# Altium PCB Enigma Rev A.PcbDoc (part 5 of 7)
Units mm, origin at the board's own origin, x right, y up, seen from the top; angles counter-clockwise.
Board outline 239.08 x 138 mm, 6 copper layers (Component Side, Ground Plane (GND), Inner Layer 1, Inner Layer 2, Power Plane (VCC), Solder Side), stack 1.297 mm thick; 563 components, 654 nets, 2409 pads, 1102 vias.
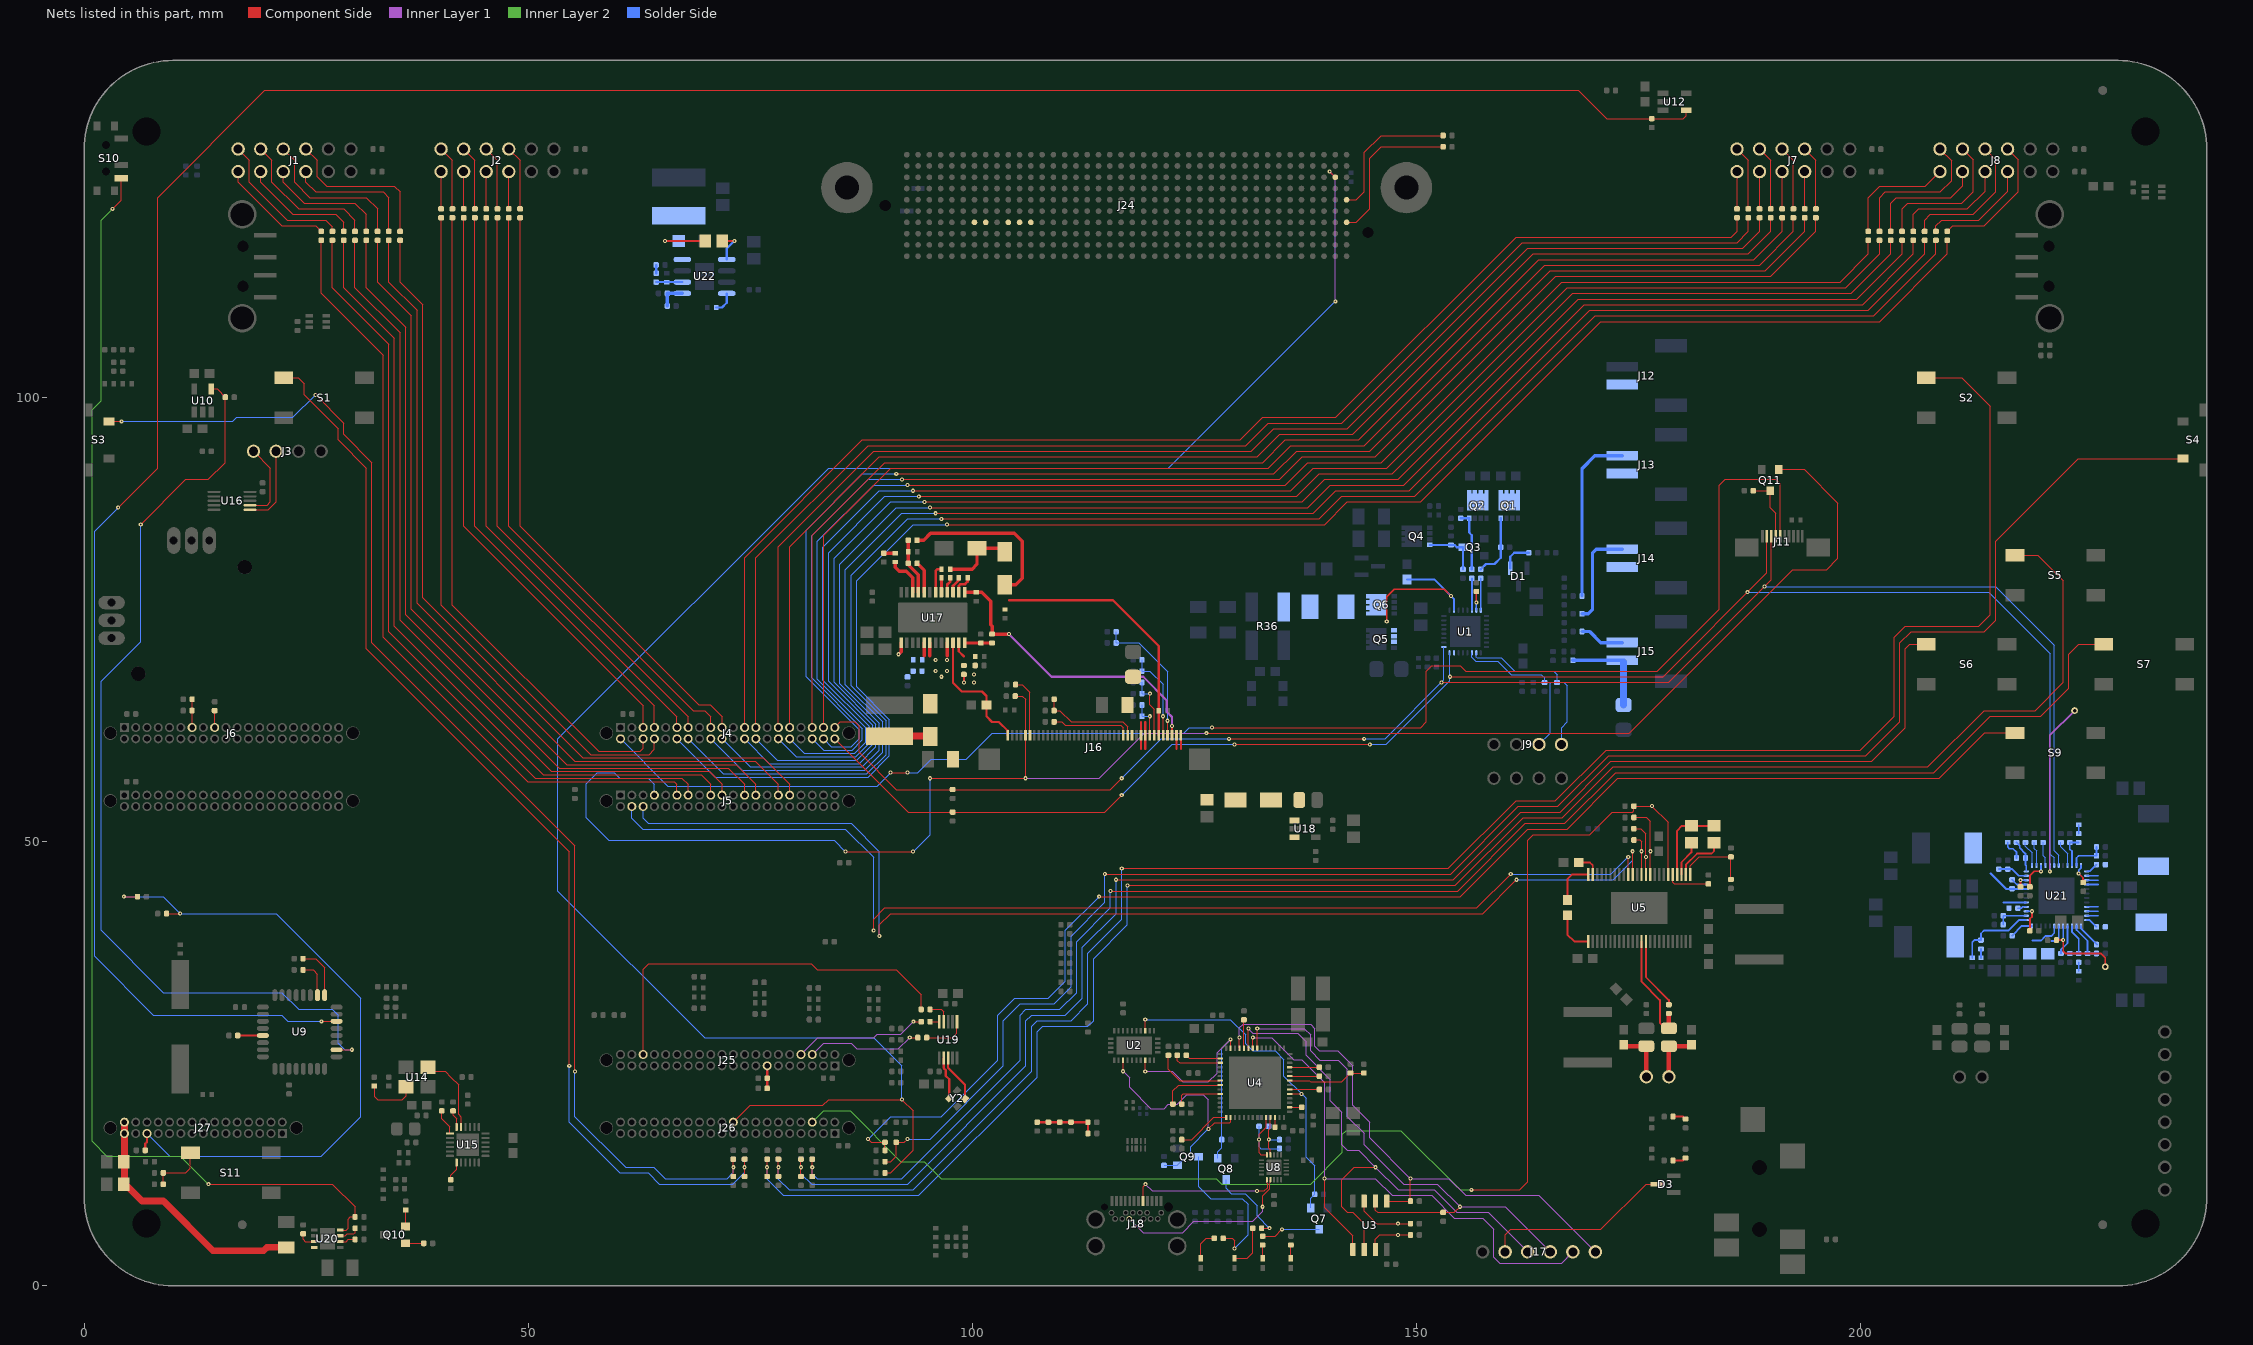
[diagram p9: the nets of this part, all layers, seen from the top]

## Via types
v1: diameter 0.457, hole 0.203, Component Side to Solder Side, tented top, 1032 vias
v2: diameter 0.5, hole 0.2, Component Side to Solder Side, 55 vias
v3: diameter 0.457, hole 0.203, Component Side to Solder Side, 9 vias
v4: diameter 0.5, hole 0.2, Component Side to Solder Side, tented both sides, 6 vias

## Nets (pads, with @x,y where several pads share a name; then routed paths per layer and width w, separated by ;. In a path a pad name is that pad's centre, name@x,y a point inside that pad or via, vN(x,y) a via of type N, cw(c..) or ccw(c..) an arc to the next point about the centre after c; other vN are vias at no path point) (continued)
NetC92_1: C92.1 L6.1 U5.37 | length 12.6
  Component Side w0.203: U5.37@175.383,38.77 175.383,34.23 177.447,32.166 177.447,29.626 L6.1@178.098,28.975
  Component Side w0.508: L6.1@178.461,28.977 C92.1@178.461,30.65
NetC92_2: C92.2 U5.38 | length 8.2
  Component Side w0.203: U5.38@175.883,38.77 175.883,34.746 178.461,32.168 C92.2@178.461,31.65
NetC93_2: C93.2 J22.2 L6.2 | length 5.8
  Component Side w0.508: J22.2@178.463,23.53 L6.2@178.463,26.975 C93.2@180.853,26.975
NetC94_2: C94.2 J22.1 L5.2 | length 5.8
  Component Side w0.508: C94.2@173.533,26.975 L5.2@175.923,26.975 J22.1@175.923,23.53
NetC95_1: C95.1 C96.2 U5.4 | length 9.3
  Component Side w0.203: U5.4@179.383,46.32 179.383,51.247 179.921,51.785 C96.2@181.003,51.785 C95.1@183.543,51.785
NetC95_2: C95.2 U5.2 | length 5.8
  Component Side w0.203: U5.2@180.383,46.32 180.383,47.421 181.638,48.676 183.289,48.676 183.543,48.93 C95.2@183.543,49.885
NetC96_1: C96.1 U5.3 | length 4
  Component Side w0.203: U5.3@179.883,46.32 179.883,47.683 181.003,48.803 C96.1@181.003,49.885
NetC97_1: C97.1 U5.24 | length 4.9
  Component Side w0.203: C97.1@167.033,43.43 167.033,45.755 167.598,46.32 U5.24@169.383,46.32
NetC97_2: C97.2 U5.25 | length 4.9
  Component Side w0.203: C97.2@167.033,41.73 167.033,39.532 167.795,38.77 U5.25@169.383,38.77
NetC98_1: C98.1 R108.1 | length 1.5
  Component Side w0.203: R108.1@178.927,14.103 180.062,14.103 C98.1@180.332,14.373
NetC99_2: C99.2 U5.23 | length 2.7
  Component Side w0.203: C99.2@168.303,47.66 169.573,47.66 169.883,47.35 U5.23@169.883,46.32
NetC102_1: C102.1 R111.1 | length 1.5
  Component Side w0.203: R111.1@178.935,19.05 180.07,19.05 C102.1@180.34,18.78
NetC117_1: C117.1 R150.2 R152.1 U17.1 | length 1.4
  Component Side w0.381: v1(91.694,71.12) 91.985,71.411 U17.1@91.985,72.405
NetC123_1: C123.1 U17.16 | length 1.8
  Component Side w0.305: U17.16@97.185,78.105 97.185,78.95 97.535,79.3 C123.1@97.535,79.73
NetC123_2: C123.2 U17.17 | length 1.6
  Component Side w0.305: U17.17@96.535,78.105 C123.2@96.535,79.73
NetC125_1: C125.1 U17.14 | length 2.3
  Component Side w0.305: U17.14@98.485,78.105 98.485,78.82 98.68,79.015 99.2,79.015 99.485,79.3 C125.1@99.485,79.73
NetC125_2: C125.2 U17.15 | length 1.9
  Component Side w0.305: U17.15@97.835,78.105 97.835,78.82 98.485,79.47 C125.2@98.485,79.73
NetC126_1: C126.1 R159.1 | length 1.3
  Component Side w0.381: R159.1@90.035,82.505 C126.1@91.335,82.505
NetC126_2: C126.2 U17.22 | length 4.7
  Component Side w0.381: C126.2@91.335,81.505 91.335,80.9 91.79,80.445 92.57,80.445 93.285,79.73 U17.22@93.285,78.105
NetC127_1: C127.1 D6.1 D7.2 | length 8.4
  Component Side w0.381: C127.1@97.535,80.705 100.009,80.705 100.533,81.229 D7.2@100.533,83.058 103.282,83.058 D6.1@103.685,82.655
NetC127_2: C127.2 U17.18 | length 3.1
  Component Side w0.305: U17.18@95.885,78.105 95.885,80.51 96.08,80.705 C127.2@96.535,80.705
NetC129_2: C129.2 R160.2 R164.1 U17.21 | length 6.3
  Component Side w0.381: R160.2@92.785,83.955 92.785,81.205 93.935,80.055 U17.21@93.935,78.105
NetC134_2: C134.2 R161.2 R169.1 U17.11 | length 1.8
  Component Side w0.254: U17.11@98.485,72.405 98.485,71.441 99.06,70.866
NetC145_1: C145.1 L9.2 U21.2 U21.3 U21.4 | length 3.8
  Solder Side w0.203: U21.4@225.52,45.169 226.783,45.169 ; U21.3@225.52,45.669 226.783,45.669 ; U21.2@225.52,46.169 226.783,46.169
NetC145_2: C145.2 U21.1 | length 1.4
  Solder Side w0.203: U21.1@225.52,46.669 225.87,46.669 C145.2@226.62,47.419
NetC148_2: C148.2 R186.2 | length 1
  Solder Side w0.203: R186.2@224.62,50.919 C148.2@224.62,51.919
NetC149_2: C149.2 R186.1 U21.46 | length 3.7
  Solder Side w0.203: U21.46@223.87,47.319 223.87,48.919 223.62,49.169 C149.2@223.62,49.919 R186.1@224.62,49.919
NetC150_2: C150.2 U21.45 | length 2.9
  Solder Side w0.127: C150.2@222.62,49.919 222.62,49.419 223.37,48.669 U21.45@223.37,47.319
NetC151_1: C151.1 L10.2 U21.9 U21.10 U21.11 | length 3.8
  Solder Side w0.203: U21.11@225.52,41.669 226.783,41.669 ; U21.10@225.52,42.169 226.783,42.169 ; U21.9@225.52,42.669 226.783,42.669
NetC151_2: C151.2 U21.12 | length 1.4
  Solder Side w0.203: U21.12@225.52,41.169 225.87,41.169 C151.2@226.62,40.419
NetC154_2: C154.2 R190.1 | length 1
  Solder Side w0.203: C154.2@224.62,35.419 R190.1@224.62,36.419
NetC155_2: C155.2 R190.2 U21.15 | length 4.4
  Solder Side w0.203: C155.2@223.62,37.419 R190.2@224.62,37.419 224.62,39.069 223.87,39.819 U21.15@223.87,40.519
NetC156_2: C156.2 U21.16 | length 3.4
  Solder Side w0.203: C156.2@222.62,37.419 222.62,37.843 223.37,38.593 U21.16@223.37,40.519
NetC157_1: C157.1 L11.2 U21.29 | length 2.6
  Solder Side w0.203: 216.12,43.169 U21.29@218.72,43.169
NetC157_2: C157.2 U21.28 | length 1
  Solder Side w0.203: C157.2@217.77,42.519 218.17,42.519 218.32,42.669 U21.28@218.72,42.669
NetC160_2: C160.2 R194.1 | length 1
  Solder Side w0.203: C160.2@213.62,36.919 R194.1@213.62,37.919
NetC161_2: C161.2 R194.2 U21.25 | length 9.3
  Solder Side w0.203: C161.2@212.62,36.919 212.62,38.669 212.87,38.919 R194.2@213.62,38.919 213.62,39.669 213.97,40.019 216.72,40.019 217.87,41.169 U21.25@218.72,41.169
NetC162_2: C162.2 U21.24 | length 2.7
  Solder Side w0.203: C162.2@217.12,39.419 218.22,40.519 U21.24@219.37,40.519
NetC163_1: C163.1 L12.2 U21.32 | length 4.7
  Solder Side w0.254: 214.707,46.432 216.47,44.669 U21.32@218.72,44.669
NetC163_2: C163.2 U21.33 | length 1.8
  Solder Side w0.203: C163.2@217.12,45.719 217.67,45.169 U21.33@218.72,45.169
NetC166_2: C166.2 R198.1 | length 2.4
  Solder Side w0.203: C166.2@216.62,49.919 216.62,49.419 216.82,49.219 217.22,49.219 217.62,48.819 R198.1@217.62,48.169
NetC167_2: C167.2 R198.2 U21.36 | length 3.7
  Solder Side w0.203: C167.2@217.62,49.919 217.97,49.569 217.97,49.319 218.62,48.669 R198.2@218.62,48.169 218.62,47.419 218.72,47.319 U21.36@218.72,46.669
NetC168_2: C168.2 U21.37 | length 2.9
  Solder Side w0.127: C168.2@218.62,49.919 218.62,49.519 219.37,48.769 U21.37@219.37,47.319
NetC172_2: C172.2 U21.18 | length 2.3
  Solder Side w0.203: 221.57,38.819 222.07,38.819 222.37,39.119 U21.18@222.37,40.519
NetC173_2: C173.2 U21.19 | length 3.6
  Solder Side w0.203: 219.42,38.869 220.37,38.869 220.87,39.369 221.52,39.369 221.87,39.719 U21.19@221.87,40.519
NetC175_1: C175.1 D9.2 L13.2 U22.8 | length 6.1
  Component Side w0.254: v1(65.4,117.665) C175.1@69.95,117.665
  Solder Side w0.254: v1(65.4,117.665) D9.2@66.95,117.665
NetC175_2: C175.2 U22.1 | length 3.8
  Component Side w0.254: C175.2@71.85,117.665 v1(73.2,117.665)
  Solder Side w0.254: U22.1@72.35,115.57 72.35,116.815 v1(73.2,117.665)
NetC177_2: C177.2 R207.1 U22.6 | length 2.9
  Solder Side w0.254: R207.1@64.4,113.03 C177.2@65.6,113.03 U22.6@67.35,113.03
NetC178_2: C178.2 U22.4 | length 2.5
  Solder Side w0.254: C178.2@71.15,110.165 71.811,110.165 72.35,110.704 U22.4@72.35,111.76
NetC179_2: C179.2 R207.2 | length 0.9
  Solder Side w0.254: R207.2@64.4,114.03 C179.2@64.4,114.965
NetC195_2: C195.2 C196.2 R223.2 R224.2 R225.1 R226.1 | length 7
  Component Side w0.254: R223.2@107.315,18.415 R225.1@108.585,18.415 C196.2@109.855,18.415 C195.2@111.125,18.415 R224.2@113.03,18.415 R226.1@113.03,17.145
NetD1_1: D1.1 R20.2 | length 3.6
  Solder Side w0.254: D1.1@160.594,80.808 160.594,82.108 161.036,82.55 R20.2@162.695,82.55
NetD3_3: D3.3 J17.2 | length 21.4
  Component Side w0.127: J17.2@160.02,3.81 160.02,5.715 160.655,6.35 170.815,6.35 175.895,11.43 D3.3@177.165,11.43
NetD5_2: D5.2 L7.2 | length 4.9
  Component Side w0.762: L7.2@90.17,61.905 D5.2@95.042,61.905
NetD8_1: D8.1 L8.2 U18.1
NetJ1_1: J1.1 R118.2 | length 12.8
  Component Side w0.127: J1.1@17.32,125.476 17.32,124.285 22.225,119.38 26.035,119.38 R118.2@26.67,118.745
NetJ1_2: J1.2 R120.2 | length 13.4
  Component Side w0.127: J1.2@19.86,125.476 19.86,124.285 23.495,120.65 28.321,120.65 29.21,119.761 R120.2@29.21,118.745
NetJ1_3: J1.3 R122.2 | length 14
  Component Side w0.127: J1.3@22.4,125.476 22.4,124.285 24.765,121.92 30.48,121.92 31.75,120.65 R122.2@31.75,118.745
NetJ1_4: J1.4 R124.2 | length 15.1
  Component Side w0.127: J1.4@24.94,125.476 24.94,124.285 26.035,123.19 33.655,123.19 34.29,122.555 R124.2@34.29,118.745
NetJ1_7: J1.7 R119.1 | length 16.2
  Component Side w0.127: J1.7@17.32,128.016 18.59,126.746 18.59,124.285 22.86,120.015 27.178,120.015 27.94,119.253 R119.1@27.94,118.745
NetJ1_8: J1.8 R121.1 | length 16.6
  Component Side w0.127: J1.8@19.86,128.016 21.13,126.746 21.13,124.285 24.13,121.285 29.21,121.285 30.48,120.015 R121.1@30.48,118.745
NetJ1_9: J1.9 R123.1 | length 17.4
  Component Side w0.127: J1.9@22.4,128.016 23.67,126.746 23.67,124.285 25.4,122.555 31.75,122.555 33.02,121.285 R123.1@33.02,118.745
NetJ1_10: J1.10 R125.1 | length 18.1
  Component Side w0.127: J1.10@24.94,128.016 26.21,126.746 26.21,124.92 27.305,123.825 34.925,123.825 35.56,123.19 R125.1@35.56,118.745
NetJ2_1: J2.1 R134.2 | length 4.2
  Component Side w0.127: R134.2@40.18,121.285 J2.1@40.18,125.476
NetJ2_2: J2.2 R136.2 | length 4.2
  Component Side w0.127: R136.2@42.72,121.285 J2.2@42.72,125.476
NetJ2_3: J2.3 R138.2 | length 4.2
  Component Side w0.127: R138.2@45.26,121.285 J2.3@45.26,125.476
NetJ2_4: J2.4 R140.2 | length 4.2
  Component Side w0.127: R140.2@47.8,121.285 J2.4@47.8,125.476
NetJ2_7: J2.7 R135.1 | length 7.3
  Component Side w0.127: J2.7@40.18,128.016 41.45,126.746 R135.1@41.45,121.285
NetJ2_8: J2.8 R137.1 | length 7.3
  Component Side w0.127: J2.8@42.72,128.016 43.99,126.746 R137.1@43.99,121.285
NetJ2_9: J2.9 R139.1 | length 7.3
  Component Side w0.127: J2.9@45.26,128.016 46.53,126.746 R139.1@46.53,121.285
NetJ2_10: J2.10 R141.1 | length 7.3
  Component Side w0.127: J2.10@47.8,128.016 49.07,126.746 R141.1@49.07,121.285
NetJ3_3: J3.3 U16.6 | length 9
  Component Side w0.127: U16.6@18.655,87.4 20.725,87.4 21.59,88.265 J3.3@21.59,93.98
NetJ3_4: J3.4 U16.7 | length 9
  Component Side w0.127: U16.7@18.655,87.9 20.59,87.9 20.955,88.265 20.955,92.075 J3.4@19.05,93.98
NetJ6_13: J6.13 R212.2 R213.2 | length 3.2
  Component Side w0.127: J6.13@12.131,62.865 R213.2@12.131,64.77 R212.2@12.131,66.04
NetJ6_17: J6.17 R214.1 | length 1.9
  Component Side w0.127: J6.17@14.671,62.865 R214.1@14.671,64.77
NetJ7_1: J7.1 R126.2 | length 4.2
  Component Side w0.127: R126.2@186.137,121.285 J7.1@186.137,125.476
NetJ7_2: J7.2 R128.2 | length 4.2
  Component Side w0.127: R128.2@188.677,121.285 J7.2@188.677,125.476
NetJ7_3: J7.3 R130.2 | length 4.2
  Component Side w0.127: R130.2@191.217,121.285 J7.3@191.217,125.476
NetJ7_4: J7.4 R132.2 | length 4.2
  Component Side w0.127: R132.2@193.757,121.285 J7.4@193.757,125.476
NetJ7_7: J7.7 R127.1 | length 7.3
  Component Side w0.127: J7.7@186.137,128.016 187.407,126.746 R127.1@187.407,121.285
NetJ7_8: J7.8 R129.1 | length 7.3
  Component Side w0.127: J7.8@188.677,128.016 189.947,126.746 R129.1@189.947,121.285
NetJ7_9: J7.9 R131.1 | length 7.3
  Component Side w0.127: J7.9@191.217,128.016 192.487,126.746 R131.1@192.487,121.285
NetJ7_10: J7.10 R133.1 | length 7.3
  Component Side w0.127: J7.10@193.757,128.016 195.027,126.746 R133.1@195.027,121.285
NetJ8_1: J8.1 R142.2 | length 13.1
  Component Side w0.127: R142.2@200.917,118.745 200.917,122.555 202.187,123.825 207.346,123.825 J8.1@208.997,125.476
NetJ8_2: J8.2 R144.2 | length 13.6
  Component Side w0.127: R144.2@203.457,118.745 203.457,121.92 204.092,122.555 210.185,122.555 211.537,123.907 J8.2@211.537,125.476
NetJ8_3: J8.3 R146.2 | length 13.3
  Component Side w0.127: R146.2@205.997,118.745 205.997,120.65 206.632,121.285 212.09,121.285 214.077,123.272 J8.3@214.077,125.476
NetJ8_4: J8.4 R148.2 | length 12.5
  Component Side w0.127: R148.2@208.537,118.745 208.537,119.38 209.172,120.015 213.36,120.015 216.617,123.272 J8.4@216.617,125.476
NetJ8_7: J8.7 R143.1 | length 16.8
  Component Side w0.127: R143.1@202.187,118.745 202.187,122.555 202.822,123.19 209.042,123.19 210.312,124.46 210.312,126.701 J8.7@208.997,128.016
NetJ8_8: J8.8 R145.1 | length 16.6
  Component Side w0.127: R145.1@204.727,118.745 204.727,121.285 205.362,121.92 211.455,121.92 212.725,123.19 212.725,126.828 J8.8@211.537,128.016
NetJ8_9: J8.9 R147.1 | length 15.9
  Component Side w0.127: R147.1@207.267,118.745 207.267,120.015 207.902,120.65 212.725,120.65 215.265,123.19 215.265,126.828 J8.9@214.077,128.016
NetJ8_10: J8.10 R149.1 | length 15.2
  Component Side w0.127: R149.1@209.807,118.745 210.442,119.38 213.995,119.38 217.805,123.19 217.805,126.828 J8.10@216.617,128.016
NetJ12_2: J12.2 J13.1 R25.1 | length 19.5
  Solder Side w0.381: R25.1@168.676,77.679 168.676,92.025 170.128,93.477 J13.1@173.209,93.477
NetJ13_2: J13.2 J14.1 R29.1 | length 11.3
  Solder Side w0.381: R29.1@168.676,75.679 169.405,75.679 169.855,76.129 169.855,82.504 170.303,82.952 J14.1@173.209,82.952
NetJ14_2: J14.2 J15.1 R31.1 | length 5.1
  Solder Side w0.381: R31.1@168.676,73.679 169.526,73.679 170.776,72.429 J15.1@173.209,72.429
NetJ15_2: J15.2 R33.2 R34.1 | length 10.4
  Solder Side w0.381: R33.2@167.656,70.429 J15.2@173.209,70.429
  Solder Side w0.762: R34.1@173.355,65.405 J15.2@173.355,70.283
NetJ16_27: J16.27 R157.2 | length 8.9
  Component Side w0.127: R157.2@109.22,63.5 110.109,63.5 110.49,63.119 116.713,63.119 117,62.832 J16.27@117,61.99
NetJ16_28: J16.28 R158.1 R174.2 | length 11.3
  Component Side w0.127: R158.1@109.22,66.04 R174.2@109.22,64.77 109.855,64.77 111.125,63.5 116.967,63.5 117.5,62.967 J16.28@117.5,61.99
NetJ16_36: J16.36 R165.2 R171.2 | length 10
  Component Side w0.127: J16.36@121.5,61.99 v1(121.5,64.135)
  Solder Side w0.127: R171.2@119.126,70.485 R165.2@119.126,69.215 120.015,69.215 121.5,67.73 v1(121.5,64.135)
NetJ16_37: J16.37 R166.2 R170.2 | length 15.6
  Component Side w0.127: J16.37@122,61.99 v1(122,63.627)
  Solder Side w0.127: R170.2@116.205,73.66 R166.2@116.205,72.39 118.745,72.39 122,69.135 v1(122,63.627)
NetJ25_13: J25.13 R217.1 R218.2 | length 2.5
  Component Side w0.254: R217.1@76.901,22.225 R218.2@76.901,23.368 J25.13@76.901,24.765
NetL1_1: L1.1 R36.2
NetLED1_2: LED1.2 R56.1 | length 1.5
  Component Side w0.127: LED1.2@132.715,3.09 R56.1@132.715,4.572
NetLED2_2: LED2.2 R57.1 | length 5.1
  Component Side w0.127: LED2.2@129.54,3.09 130.979,3.09 131.572,3.683 R57.1@131.572,6.477
NetLED3_2: LED3.2 R58.1 | length 3.4
  Component Side w0.127: LED3.2@125.73,3.09 125.73,4.699 126.365,5.334 R58.1@127.262,5.334
NetLED4_2: LED4.2 R74.1 | length 1.5
  Component Side w0.127: LED4.2@135.89,3.09 R74.1@135.89,4.58
NetQ1_4: Q1.4 R18.2 R22.1 | length 7.2
  Solder Side w0.254: R22.1@157.271,80.679 157.872,81.28 158.822,81.28 159.521,81.979 R18.2@159.521,83.179 Q1.4@159.521,86.429
NetQ1_5: Q1.5 Q1.6 Q1.7 Q1.8 Q1.TAB Q2.5 Q2.6 Q2.7 Q2.8 Q2.TAB
NetQ2_4: Q2.4 R19.2 R23.1 | length 6.8
  Solder Side w0.254: R19.2@155.021,86.429 Q2.4@155.971,86.429 155.971,84.829 156.271,84.529 R23.1@156.271,80.679
NetQ3_3: Q3.3 Q4.4 R26.2 R30.2 | length 6.4
  Solder Side w0.254: Q4.4@151.511,83.429 154.321,83.429 154.571,83.179 Q3.3@155.271,83.179 R30.2@155.271,80.679
NetQ7_3: Q7.3 R56.2 | length 6.7
  Component Side w0.127: R56.2@132.715,5.58 134.104,5.58 v1(134.874,6.35)
  Solder Side w0.127: v1(134.874,6.35) Q7.3@139.065,6.35
NetQ8_3: Q8.3 R57.2 | length 9.3
  Component Side w0.127: R57.2@132.588,6.477 v1(133.477,6.477)
  Solder Side w0.127: Q8.3@128.6,11.95 128.6,10.95 129.2,10.35 130.747,10.35 132.08,9.017 132.08,7.874 v1(133.477,6.477)
NetQ9_3: Q9.3 R58.2 | length 17.6
  Component Side w0.127: R58.2@128.262,5.334 129.286,5.334 129.54,5.08 v1(129.54,4.191)
  Solder Side w0.127: Q9.3@125.5,14.5 125.5,11.152 126.873,9.779 130.429,9.779 131.064,9.144 131.064,5.715 v1(129.54,4.191)
NetQ10_1: Q10.1 R76.1 | length 2
  Component Side w0.127: Q10.1@36.182,4.765 R76.1@38.227,4.765
NetQ10_2: Q10.2 R78.1 | length 1.8
  Component Side w0.127: Q10.2@36.195,6.678 R78.1@36.195,8.525
NetR2_2: R2.2 R4.2 S1.1 | length 123.8
  Component Side w0.127: S1.1@22.45,102.25 24.115,102.25 24.765,101.6 24.765,100.33 28.575,96.52 28.575,95.25 31.75,92.075 31.75,71.755 54.61,48.895 v1(54.61,24.765) ; R2.2@74.361,12.303 v1(74.361,13.335) R4.2@74.361,14.24
  Solder Side w0.127: v1(54.61,24.765) 54.61,18.415 60.325,12.7 63.5,12.7 64.77,11.43 73.025,11.43 74.361,12.766 v1(74.361,13.335)
NetR3_2: R3.2 R5.2 S2.1 | length 213.9
  Component Side w0.127: R3.2@78.171,12.303 v1(78.171,13.335) R5.2@78.171,14.24 ; v1(116.84,46.99) 153.625,46.99 161.245,54.61 165.69,54.61 171.405,60.325 200.025,60.325 203.835,64.135 203.835,73.025 205.105,74.295 213.36,74.295 214.63,75.565 214.63,99.06 211.44,102.25 S2.1@207.45,102.25
  Solder Side w0.127: v1(78.171,13.335) 78.171,11.999 79.375,10.795 93.345,10.795 106.68,24.13 106.68,29.21 107.315,29.845 111.125,29.845 113.03,31.75 113.03,37.465 116.84,41.275 v1(116.84,46.99)
NetR6_2: R6.2 R8.2 S3.1 | length 141.4
  Component Side w0.127: S3.1@2.765,97.35 v1(4.2,97.35) ; v1(26.035,100.33) 29.21,97.155 29.21,95.885 32.385,92.71 32.385,72.39 55.245,49.53 v1(55.245,24.13) ; R6.2@73.091,12.303 v1(73.091,13.335) R8.2@73.091,14.24
  Solder Side w0.127: v1(4.2,97.35) 16.705,97.35 17.145,97.79 23.495,97.79 v1(26.035,100.33) ; v1(55.245,24.13) 55.245,19.05 60.96,13.335 64.135,13.335 65.405,12.065 72.39,12.065 73.091,12.766 v1(73.091,13.335)
NetR7_2: R7.2 R9.2 S4.1 | length 198.5
  Component Side w0.127: R7.2@90.17,13.97 90.805,13.97 91.44,14.605 R9.2@91.44,16.145 92.345,16.145 v1(92.71,16.51) ; v1(114.935,46.355) 153.888,46.355 161.508,53.975 165.953,53.975 171.668,59.69 200.66,59.69 204.47,63.5 204.47,72.39 205.74,73.66 213.995,73.66 215.265,74.93 215.265,83.82 224.595,93.15 S4.1@236.376,93.15
  Solder Side w0.127: v1(92.71,16.51) 95.25,16.51 103.505,24.765 103.505,29.845 105.41,31.75 109.22,31.75 111.125,33.655 111.125,39.37 114.935,43.18 v1(114.935,46.355)
NetR10_2: R10.2 R11.2 S5.1 | length 201.7
  Component Side w0.127: R10.2@76.901,12.303 v1(76.901,13.335) R11.2@76.901,14.24 ; v1(117.475,45.085) 154.414,45.085 162.034,52.705 166.479,52.705 172.194,58.42 207.645,58.42 213.995,64.77 219.71,64.77 222.885,67.945 222.885,79.375 220.01,82.25 S5.1@217.45,82.25
  Solder Side w0.127: v1(76.901,13.335) 76.901,11.999 78.74,10.16 93.98,10.16 107.315,23.495 107.315,28.575 107.95,29.21 113.03,29.21 113.665,29.845 113.665,36.83 117.475,40.64 v1(117.475,45.085)
NetR12_2: R12.2 R14.2 S6.1 | length 168.8
  Component Side w0.127: R12.2@80.711,12.303 v1(80.711,13.335) R14.2@80.711,14.24 ; v1(116.205,45.72) 154.151,45.72 161.771,53.34 166.216,53.34 171.931,59.055 201.295,59.055 205.105,62.865 205.105,71.755 205.6,72.25 S6.1@207.45,72.25
  Solder Side w0.127: v1(80.711,13.335) 80.711,12.634 81.915,11.43 92.71,11.43 106.045,24.765 106.045,29.845 106.68,30.48 110.49,30.48 112.395,32.385 112.395,38.1 116.205,41.91 v1(116.205,45.72)
NetR13_2: R13.2 R15.2 S7.1 | length 182.9
  Component Side w0.127: R13.2@81.981,12.303 v1(81.981,13.335) R15.2@81.981,14.24 ; v1(115.57,44.45) 154.677,44.45 162.297,52.07 166.742,52.07 172.457,57.785 208.28,57.785 214.63,64.135 220.345,64.135 223.52,67.31 223.52,71.12 224.65,72.25 S7.1@227.45,72.25
  Solder Side w0.127: v1(81.981,13.335) 81.981,12.634 82.55,12.065 92.075,12.065 105.41,25.4 105.41,30.48 106.045,31.115 109.855,31.115 111.76,33.02 111.76,38.735 115.57,42.545 v1(115.57,44.45)
NetR16_2: R16.2 R17.2 S9.1 | length 157.4
  Component Side w0.127: v1(88.265,16.51) 88.63,16.145 R17.2@90.17,16.145 R16.2@90.17,15.24 ; v1(114.3,43.815) 154.94,43.815 162.56,51.435 167.005,51.435 172.72,57.15 208.915,57.15 214.015,62.25 S9.1@217.45,62.25
  Solder Side w0.127: v1(88.265,16.51) 90.805,19.05 96.52,19.05 102.87,25.4 102.87,30.48 104.775,32.385 108.585,32.385 110.49,34.29 110.49,40.005 v1(114.3,43.815)
NetR22_2: R22.2 U1.32 | length 3.6
  Solder Side w0.203: U1.32@157.271,76.079 R22.2@157.271,79.679
NetR23_2: R23.2 U1.30 | length 3.6
  Solder Side w0.203: U1.30@156.271,76.079 R23.2@156.271,79.679
NetR24_2: R24.2 U1.31 | length 2.1
  Component Side w0.203: v1(156.771,76.929) R24.2@156.771,78.179
  Solder Side w0.203: U1.31@156.771,76.079 v1(156.771,76.929)
NetR45_2: R45.2 U3.3 | length 6.9
  Component Side w0.127: U3.3@144.145,9.525 144.145,8.382 145.542,6.985 v1(147.955,6.985) R45.2@149.36,6.985
NetR46_2: R46.2 R68.2 S11.1 | length 6.2
  Component Side w0.127: R68.2@8.89,11.43 R46.2@8.89,12.7 11.43,12.7 11.938,13.208 S11.1@11.938,14.859
NetR47_2: R47.2 U3.7 | length 5.3
  Component Side w0.127: U3.7@145.415,4.075 145.415,5.207 145.923,5.715 v1(147.955,5.715) R47.2@149.36,5.715
NetR48_2: R48.2 U4.52 | length 5.4
  Component Side w0.127: R48.2@123.6,20.45 123.6,21.45 123.75,21.6 U4.52@127.95,21.6